# KiCad board final-memory.kicad_pcb (continued)
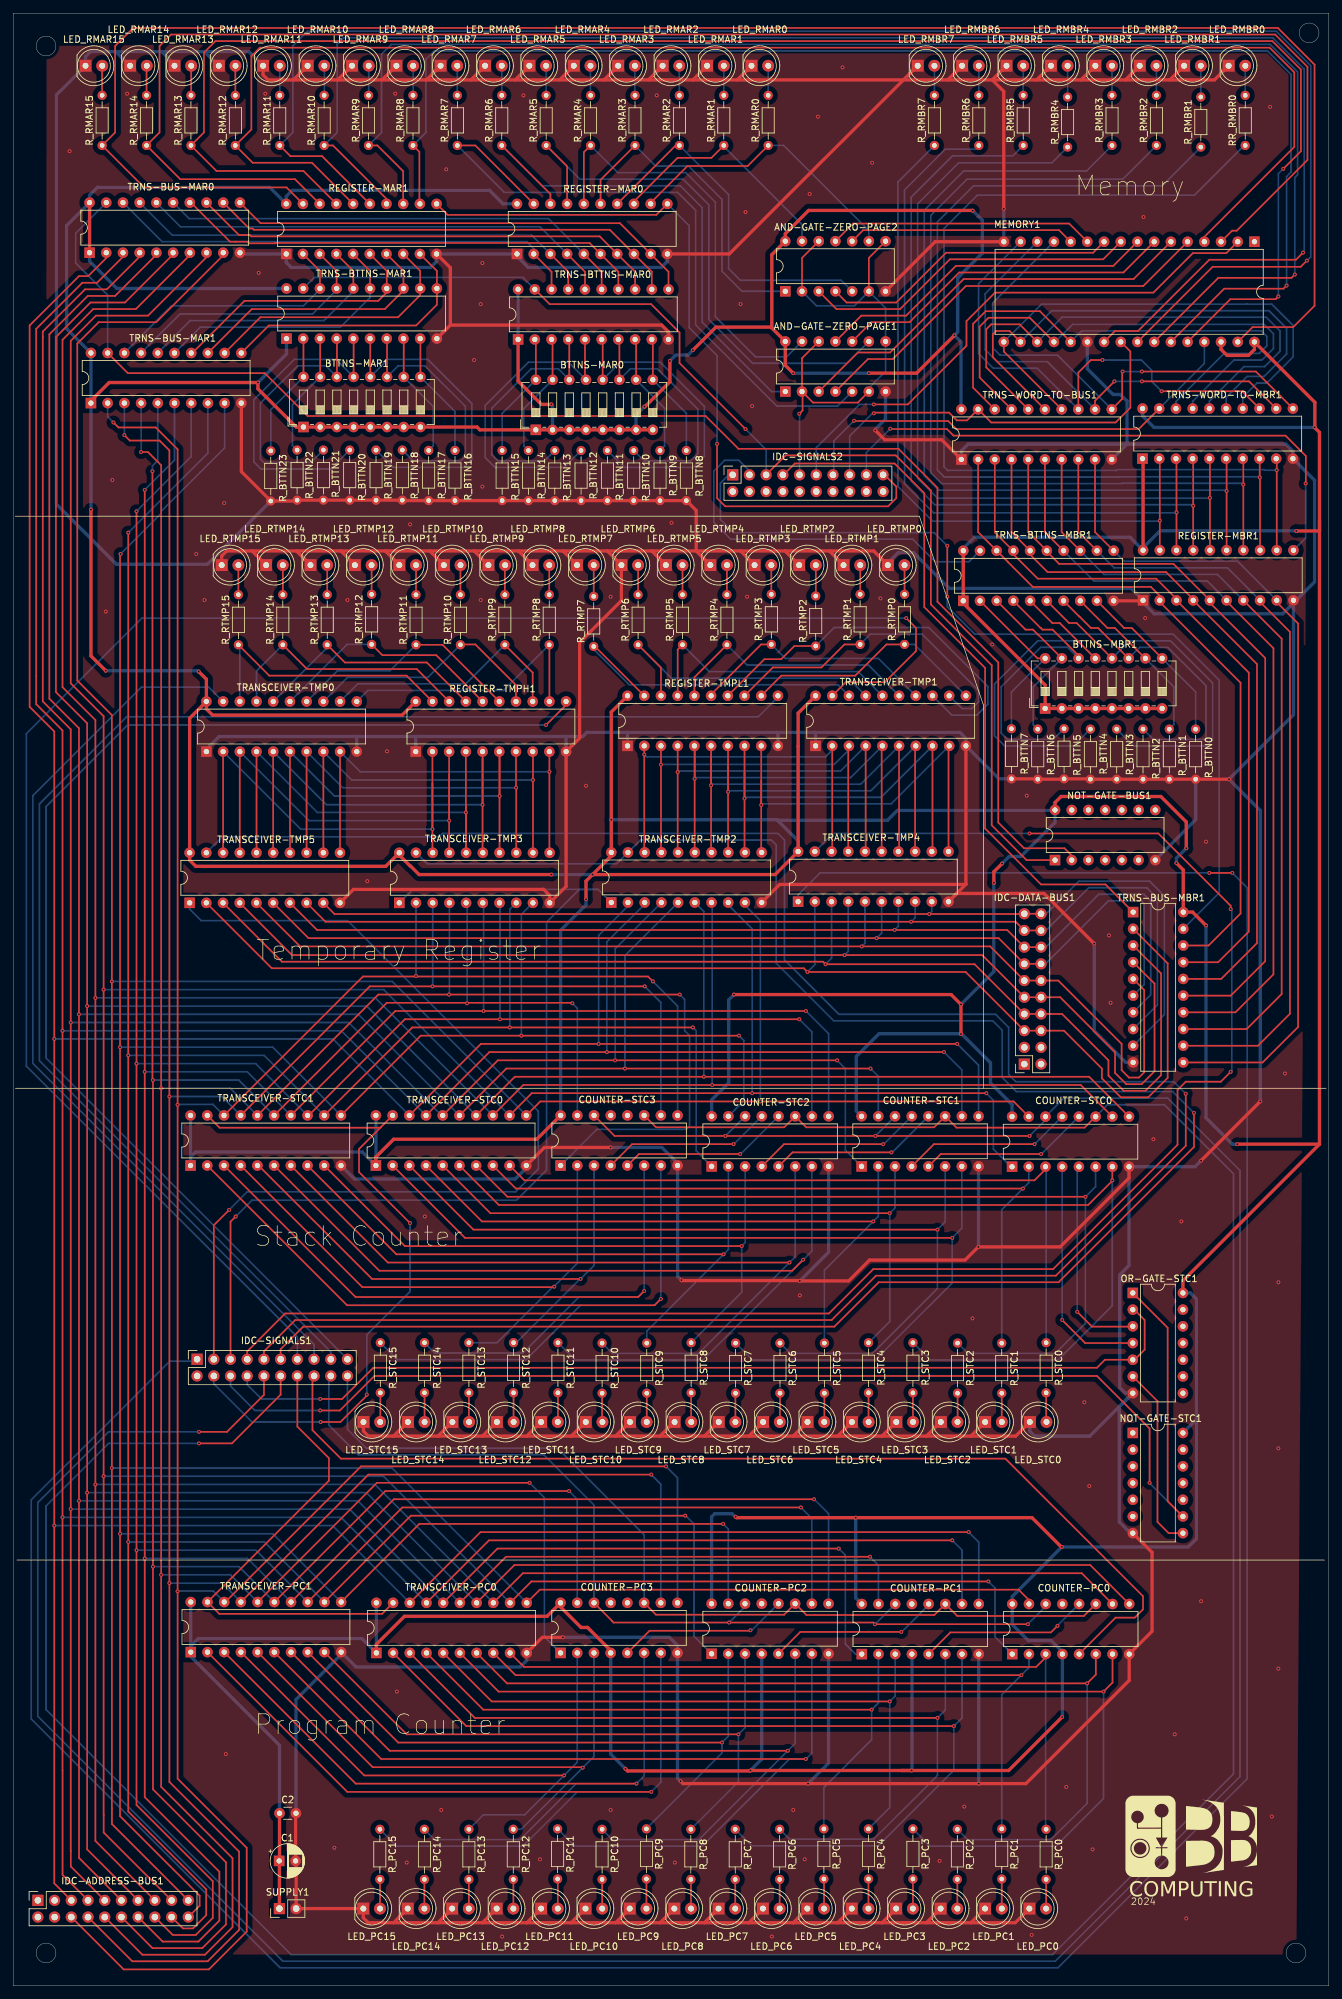
[diagram p0: board, top side]
## Nets
GND: AND-GATE-ZERO-PAGE1.7 AND-GATE-ZERO-PAGE2.7 C1.2 C2.2 COUNTER-PC0.8 COUNTER-PC1.8 COUNTER-PC2.8 COUNTER-PC3.8 COUNTER-STC0.8 COUNTER-STC1.8 COUNTER-STC2.8 COUNTER-STC3.8 LED_PC0.1 LED_PC1.1 LED_PC2.1 LED_PC3.1 LED_PC4.1 LED_PC5.1 LED_PC6.1 LED_PC7.1 LED_PC8.1 LED_PC9.1 LED_PC10.1 LED_PC11.1 LED_PC12.1 LED_PC13.1 LED_PC14.1 LED_PC15.1 LED_RMAR0.1 LED_RMAR1.1 LED_RMAR2.1 LED_RMAR3.1 LED_RMAR4.1 LED_RMAR5.1 LED_RMAR6.1 LED_RMAR7.1 LED_RMAR8.1 LED_RMAR9.1 LED_RMAR10.1 LED_RMAR11.1 LED_RMAR12.1 LED_RMAR13.1 LED_RMAR14.1 LED_RMAR15.1 LED_RMBR0.1 LED_RMBR1.1 LED_RMBR2.1 LED_RMBR3.1 LED_RMBR4.1 LED_RMBR5.1 LED_RMBR6.1 LED_RMBR7.1 LED_RTMP0.1 LED_RTMP1.1 LED_RTMP2.1 LED_RTMP3.1 LED_RTMP4.1 LED_RTMP5.1 LED_RTMP6.1 LED_RTMP7.1 LED_RTMP8.1 LED_RTMP9.1 LED_RTMP10.1 LED_RTMP11.1 LED_RTMP12.1 LED_RTMP13.1 LED_RTMP14.1 LED_RTMP15.1 LED_STC0.1 LED_STC1.1 LED_STC2.1 LED_STC3.1 LED_STC4.1 LED_STC5.1 LED_STC6.1 LED_STC7.1 LED_STC8.1 LED_STC9.1 LED_STC10.1 LED_STC11.1 LED_STC12.1 LED_STC13.1 LED_STC14.1 LED_STC15.1 MEMORY1.16 MEMORY1.22 NOT-GATE-BUS1.7 NOT-GATE-STC1.7 OR-GATE-STC1.7 R_BTTN0.1 R_BTTN1.1 R_BTTN2.1 R_BTTN3.1 R_BTTN4.1 R_BTTN5.1 R_BTTN6.1 R_BTTN7.1 R_BTTN8.1 R_BTTN9.1 R_BTTN10.1 R_BTTN11.1 R_BTTN12.1 R_BTTN13.1 R_BTTN14.1 R_BTTN15.1 R_BTTN16.1 R_BTTN17.1 R_BTTN18.1 R_BTTN19.1 R_BTTN20.1 R_BTTN21.1 R_BTTN22.1 R_BTTN23.1 REGISTER-MAR0.1 REGISTER-MAR0.10 REGISTER-MAR1.1 REGISTER-MAR1.10 REGISTER-MBR1.1 REGISTER-MBR1.10 REGISTER-TMPH1.1 REGISTER-TMPH1.10 REGISTER-TMPL1.1 REGISTER-TMPL1.10 SUPPLY1.2 TRANSCEIVER-PC0.10 TRANSCEIVER-PC1.10 TRANSCEIVER-STC0.10 TRANSCEIVER-STC1.10 TRANSCEIVER-TMP0.1 TRANSCEIVER-TMP0.10 TRANSCEIVER-TMP1.1 TRANSCEIVER-TMP1.10 TRANSCEIVER-TMP2.10 TRANSCEIVER-TMP3.10 TRANSCEIVER-TMP4.10 TRANSCEIVER-TMP5.10 TRNS-BTTNS-MAR0.10 TRNS-BTTNS-MAR1.10 TRNS-BTTNS-MBR1.10 TRNS-BUS-MAR0.10 TRNS-BUS-MAR1.10 TRNS-BUS-MBR1.10 TRNS-WORD-TO-BUS1.1 TRNS-WORD-TO-BUS1.10 TRNS-WORD-TO-MBR1.10
VCC: AND-GATE-ZERO-PAGE1.14 AND-GATE-ZERO-PAGE2.14 BTTNS-MAR0.1 BTTNS-MAR0.2 BTTNS-MAR0.3 BTTNS-MAR0.4 BTTNS-MAR0.5 BTTNS-MAR0.6 BTTNS-MAR0.7 BTTNS-MAR0.8 BTTNS-MAR1.1 BTTNS-MAR1.2 BTTNS-MAR1.3 BTTNS-MAR1.4 BTTNS-MAR1.5 BTTNS-MAR1.6 BTTNS-MAR1.7 BTTNS-MAR1.8 BTTNS-MBR1.1 BTTNS-MBR1.2 BTTNS-MBR1.3 BTTNS-MBR1.4 BTTNS-MBR1.5 BTTNS-MBR1.6 BTTNS-MBR1.7 BTTNS-MBR1.8 C1.1 C2.1 COUNTER-PC0.4 COUNTER-PC0.16 COUNTER-PC1.4 COUNTER-PC1.16 COUNTER-PC2.4 COUNTER-PC2.16 COUNTER-PC3.4 COUNTER-PC3.16 COUNTER-STC0.16 COUNTER-STC1.16 COUNTER-STC2.16 COUNTER-STC3.16 MEMORY1.30 MEMORY1.32 NOT-GATE-BUS1.14 NOT-GATE-STC1.14 OR-GATE-STC1.14 REGISTER-MAR0.20 REGISTER-MAR1.20 REGISTER-MBR1.20 REGISTER-TMPH1.20 REGISTER-TMPL1.20 SUPPLY1.1 TRANSCEIVER-PC0.1 TRANSCEIVER-PC0.20 TRANSCEIVER-PC1.1 TRANSCEIVER-PC1.20 TRANSCEIVER-STC0.1 TRANSCEIVER-STC0.20 TRANSCEIVER-STC1.1 TRANSCEIVER-STC1.20 TRANSCEIVER-TMP0.20 TRANSCEIVER-TMP1.20 TRANSCEIVER-TMP2.20 TRANSCEIVER-TMP3.20 TRANSCEIVER-TMP4.20 TRANSCEIVER-TMP5.20 TRNS-BTTNS-MAR0.1 TRNS-BTTNS-MAR0.20 TRNS-BTTNS-MAR1.1 TRNS-BTTNS-MAR1.20 TRNS-BTTNS-MBR1.1 TRNS-BTTNS-MBR1.20 TRNS-BUS-MAR0.1 TRNS-BUS-MAR0.20 TRNS-BUS-MAR1.1 TRNS-BUS-MAR1.20 TRNS-BUS-MBR1.20 TRNS-WORD-TO-BUS1.20 TRNS-WORD-TO-MBR1.1 TRNS-WORD-TO-MBR1.20
ADDRESS0: COUNTER-PC0.15 COUNTER-STC0.15 IDC-ADDRESS-BUS1.19 TRANSCEIVER-PC0.11 TRANSCEIVER-STC0.11 TRANSCEIVER-TMP2.9 TRNS-BUS-MAR0.9
ADDRESS1: COUNTER-PC0.1 COUNTER-STC0.1 IDC-ADDRESS-BUS1.17 TRANSCEIVER-PC0.12 TRANSCEIVER-STC0.12 TRANSCEIVER-TMP2.8 TRNS-BUS-MAR0.8
ADDRESS2: COUNTER-PC0.10 COUNTER-STC0.10 IDC-ADDRESS-BUS1.15 TRANSCEIVER-PC0.13 TRANSCEIVER-STC0.13 TRANSCEIVER-TMP2.7 TRNS-BUS-MAR0.7
ADDRESS3: COUNTER-PC0.9 COUNTER-STC0.9 IDC-ADDRESS-BUS1.13 TRANSCEIVER-PC0.14 TRANSCEIVER-STC0.14 TRANSCEIVER-TMP2.6 TRNS-BUS-MAR0.6
ADDRESS4: COUNTER-PC1.15 COUNTER-STC1.15 IDC-ADDRESS-BUS1.11 TRANSCEIVER-PC0.15 TRANSCEIVER-STC0.15 TRANSCEIVER-TMP2.5 TRNS-BUS-MAR0.5
ADDRESS5: COUNTER-PC1.1 COUNTER-STC1.1 IDC-ADDRESS-BUS1.9 TRANSCEIVER-PC0.16 TRANSCEIVER-STC0.16 TRANSCEIVER-TMP2.4 TRNS-BUS-MAR0.4
ADDRESS6: COUNTER-PC1.10 COUNTER-STC1.10 IDC-ADDRESS-BUS1.7 TRANSCEIVER-PC0.17 TRANSCEIVER-STC0.17 TRANSCEIVER-TMP2.3 TRNS-BUS-MAR0.3
ADDRESS7: COUNTER-PC1.9 COUNTER-STC1.9 IDC-ADDRESS-BUS1.5 TRANSCEIVER-PC0.18 TRANSCEIVER-STC0.18 TRANSCEIVER-TMP2.2 TRNS-BUS-MAR0.2
ADDRESS8: COUNTER-PC2.15 COUNTER-STC2.15 IDC-ADDRESS-BUS1.20 TRANSCEIVER-PC1.11 TRANSCEIVER-STC1.11 TRANSCEIVER-TMP3.9 TRNS-BUS-MAR1.9
ADDRESS9: COUNTER-PC2.1 COUNTER-STC2.1 IDC-ADDRESS-BUS1.18 TRANSCEIVER-PC1.12 TRANSCEIVER-STC1.12 TRANSCEIVER-TMP3.8 TRNS-BUS-MAR1.8
ADDRESS10: COUNTER-PC2.10 COUNTER-STC2.10 IDC-ADDRESS-BUS1.16 TRANSCEIVER-PC1.13 TRANSCEIVER-STC1.13 TRANSCEIVER-TMP3.7 TRNS-BUS-MAR1.7
ADDRESS11: COUNTER-PC2.9 COUNTER-STC2.9 IDC-ADDRESS-BUS1.14 TRANSCEIVER-PC1.14 TRANSCEIVER-STC1.14 TRANSCEIVER-TMP3.6 TRNS-BUS-MAR1.6
ADDRESS12: COUNTER-PC3.15 COUNTER-STC3.15 IDC-ADDRESS-BUS1.12 TRANSCEIVER-PC1.15 TRANSCEIVER-STC1.15 TRANSCEIVER-TMP3.5 TRNS-BUS-MAR1.5
ADDRESS13: COUNTER-PC3.1 COUNTER-STC3.1 IDC-ADDRESS-BUS1.10 TRANSCEIVER-PC1.16 TRANSCEIVER-STC1.16 TRANSCEIVER-TMP3.4 TRNS-BUS-MAR1.4
ADDRESS14: COUNTER-PC3.10 COUNTER-STC3.10 IDC-ADDRESS-BUS1.8 TRANSCEIVER-PC1.17 TRANSCEIVER-STC1.17 TRANSCEIVER-TMP3.3 TRNS-BUS-MAR1.3
ADDRESS15: COUNTER-PC3.9 COUNTER-STC3.9 IDC-ADDRESS-BUS1.6 TRANSCEIVER-PC1.18 TRANSCEIVER-STC1.18 TRANSCEIVER-TMP3.2 TRNS-BUS-MAR1.2
DATA0: IDC-DATA-BUS1.19 IDC-DATA-BUS1.20 TRANSCEIVER-TMP4.9 TRANSCEIVER-TMP5.9 TRNS-BUS-MBR1.9
DATA1: IDC-DATA-BUS1.17 IDC-DATA-BUS1.18 TRANSCEIVER-TMP4.8 TRANSCEIVER-TMP5.8 TRNS-BUS-MBR1.8
DATA2: IDC-DATA-BUS1.15 IDC-DATA-BUS1.16 TRANSCEIVER-TMP4.7 TRANSCEIVER-TMP5.7 TRNS-BUS-MBR1.7
DATA3: IDC-DATA-BUS1.13 IDC-DATA-BUS1.14 TRANSCEIVER-TMP4.6 TRANSCEIVER-TMP5.6 TRNS-BUS-MBR1.6
DATA4: IDC-DATA-BUS1.11 IDC-DATA-BUS1.12 TRANSCEIVER-TMP4.5 TRANSCEIVER-TMP5.5 TRNS-BUS-MBR1.5
DATA5: IDC-DATA-BUS1.9 IDC-DATA-BUS1.10 TRANSCEIVER-TMP4.4 TRANSCEIVER-TMP5.4 TRNS-BUS-MBR1.4
DATA6: IDC-DATA-BUS1.7 IDC-DATA-BUS1.8 TRANSCEIVER-TMP4.3 TRANSCEIVER-TMP5.3 TRNS-BUS-MBR1.3
DATA7: IDC-DATA-BUS1.5 IDC-DATA-BUS1.6 TRANSCEIVER-TMP4.2 TRANSCEIVER-TMP5.2 TRNS-BUS-MBR1.2
MEM_PART: IDC-SIGNALS2.11 MEMORY1.2
PC0: COUNTER-PC0.3 R_PC0.1 TRANSCEIVER-PC0.9
PC1: COUNTER-PC0.2 R_PC1.1 TRANSCEIVER-PC0.8
PC2: COUNTER-PC0.6 R_PC2.1 TRANSCEIVER-PC0.7
PC3: COUNTER-PC0.7 R_PC3.1 TRANSCEIVER-PC0.6
PC4: COUNTER-PC1.3 R_PC4.1 TRANSCEIVER-PC0.5
PC5: COUNTER-PC1.2 R_PC5.1 TRANSCEIVER-PC0.4
PC6: COUNTER-PC1.6 R_PC6.1 TRANSCEIVER-PC0.3
PC7: COUNTER-PC1.7 R_PC7.1 TRANSCEIVER-PC0.2
PC8: COUNTER-PC2.3 R_PC8.1 TRANSCEIVER-PC1.9
PC9: COUNTER-PC2.2 R_PC9.1 TRANSCEIVER-PC1.8
PC10: COUNTER-PC2.6 R_PC10.1 TRANSCEIVER-PC1.7
PC11: COUNTER-PC2.7 R_PC11.1 TRANSCEIVER-PC1.6
PC12: COUNTER-PC3.3 R_PC12.1 TRANSCEIVER-PC1.5
PC13: COUNTER-PC3.2 R_PC13.1 TRANSCEIVER-PC1.4
PC14: COUNTER-PC3.6 R_PC14.1 TRANSCEIVER-PC1.3
PC15: COUNTER-PC3.7 R_PC15.1 TRANSCEIVER-PC1.2
PC_RST: COUNTER-PC0.14 COUNTER-PC1.14 COUNTER-PC2.14 COUNTER-PC3.14 IDC-SIGNALS1.18
PC_TICK: COUNTER-PC0.5 IDC-SIGNALS1.16
REG_MAR_LOAD: IDC-SIGNALS2.19 REGISTER-MAR0.11 REGISTER-MAR1.11
REG_MBR_LOAD: IDC-SIGNALS2.17 REGISTER-MBR1.11
REG_MBR_WORD_DIR: IDC-SIGNALS2.7 TRNS-BUS-MBR1.1
REG_TMP_ADDRESS_DIR: IDC-SIGNALS1.5 TRANSCEIVER-TMP2.1 TRANSCEIVER-TMP3.1
REG_TMPH_DATA_DIR: IDC-SIGNALS1.3 TRANSCEIVER-TMP5.1
REG_TMPH_LOAD: IDC-SIGNALS1.19 REGISTER-TMPH1.11
REG_TMPL_DATA_DIR: IDC-SIGNALS1.1 TRANSCEIVER-TMP4.1
REG_TMPL_LOAD: IDC-SIGNALS1.17 REGISTER-TMPL1.11
RMAR0: AND-GATE-ZERO-PAGE2.9 R_RMAR0.1 REGISTER-MAR0.12
RMAR1: AND-GATE-ZERO-PAGE2.13 R_RMAR1.1 REGISTER-MAR0.13
RMAR2: AND-GATE-ZERO-PAGE2.5 R_RMAR2.1 REGISTER-MAR0.14
RMAR3: AND-GATE-ZERO-PAGE2.1 R_RMAR3.1 REGISTER-MAR0.15
RMAR4: AND-GATE-ZERO-PAGE1.13 R_RMAR4.1 REGISTER-MAR0.16
RMAR5: AND-GATE-ZERO-PAGE1.9 R_RMAR5.1 REGISTER-MAR0.17
RMAR6: AND-GATE-ZERO-PAGE1.1 R_RMAR6.1 REGISTER-MAR0.18
RMAR7: AND-GATE-ZERO-PAGE1.5 R_RMAR7.1 REGISTER-MAR0.19
RMAR8: MEMORY1.27 R_RMAR8.1 REGISTER-MAR1.12
RMAR9: MEMORY1.26 R_RMAR9.1 REGISTER-MAR1.13
RMAR10: MEMORY1.23 R_RMAR10.1 REGISTER-MAR1.14
RMAR11: MEMORY1.25 R_RMAR11.1 REGISTER-MAR1.15
RMAR12: MEMORY1.4 R_RMAR12.1 REGISTER-MAR1.16
RMAR13: MEMORY1.28 R_RMAR13.1 REGISTER-MAR1.17
RMAR14: MEMORY1.3 R_RMAR14.1 REGISTER-MAR1.18
RMAR15: MEMORY1.31 R_RMAR15.1 REGISTER-MAR1.19
RMBR0: REGISTER-MBR1.12 RR_RMBR0.1 TRNS-WORD-TO-MBR1.9
RMBR1: R_RMBR1.1 REGISTER-MBR1.13 TRNS-WORD-TO-MBR1.8
RMBR2: R_RMBR2.1 REGISTER-MBR1.14 TRNS-WORD-TO-MBR1.7
RMBR3: R_RMBR3.1 REGISTER-MBR1.15 TRNS-WORD-TO-MBR1.6
RMBR4: R_RMBR4.1 REGISTER-MBR1.16 TRNS-WORD-TO-MBR1.5
RMBR5: R_RMBR5.1 REGISTER-MBR1.17 TRNS-WORD-TO-MBR1.4
RMBR6: R_RMBR6.1 REGISTER-MBR1.18 TRNS-WORD-TO-MBR1.3
RMBR7: R_RMBR7.1 REGISTER-MBR1.19 TRNS-WORD-TO-MBR1.2
RTMP0: R_RTMP0.1 REGISTER-TMPL1.12 TRANSCEIVER-TMP1.11
RTMP1: R_RTMP1.1 REGISTER-TMPL1.13 TRANSCEIVER-TMP1.12
RTMP2: R_RTMP2.1 REGISTER-TMPL1.14 TRANSCEIVER-TMP1.13
RTMP3: R_RTMP3.1 REGISTER-TMPL1.15 TRANSCEIVER-TMP1.14
RTMP4: R_RTMP4.1 REGISTER-TMPL1.16 TRANSCEIVER-TMP1.15
RTMP5: R_RTMP5.1 REGISTER-TMPL1.17 TRANSCEIVER-TMP1.16
RTMP6: R_RTMP6.1 REGISTER-TMPL1.18 TRANSCEIVER-TMP1.17
RTMP7: R_RTMP7.1 REGISTER-TMPL1.19 TRANSCEIVER-TMP1.18
RTMP8: R_RTMP8.1 REGISTER-TMPH1.12 TRANSCEIVER-TMP0.11
RTMP9: R_RTMP9.1 REGISTER-TMPH1.13 TRANSCEIVER-TMP0.12
RTMP10: R_RTMP10.1 REGISTER-TMPH1.14 TRANSCEIVER-TMP0.13
RTMP11: R_RTMP11.1 REGISTER-TMPH1.15 TRANSCEIVER-TMP0.14
RTMP12: R_RTMP12.1 REGISTER-TMPH1.16 TRANSCEIVER-TMP0.15
RTMP13: R_RTMP13.1 REGISTER-TMPH1.17 TRANSCEIVER-TMP0.16
RTMP14: R_RTMP14.1 REGISTER-TMPH1.18 TRANSCEIVER-TMP0.17
RTMP15: R_RTMP15.1 REGISTER-TMPH1.19 TRANSCEIVER-TMP0.18
STC0: COUNTER-STC0.3 R_STC0.1 TRANSCEIVER-STC0.9
STC1: COUNTER-STC0.2 R_STC1.1 TRANSCEIVER-STC0.8
STC2: COUNTER-STC0.6 R_STC2.1 TRANSCEIVER-STC0.7
STC3: COUNTER-STC0.7 R_STC3.1 TRANSCEIVER-STC0.6
STC4: COUNTER-STC1.3 R_STC4.1 TRANSCEIVER-STC0.5
STC5: COUNTER-STC1.2 R_STC5.1 TRANSCEIVER-STC0.4
STC6: COUNTER-STC1.6 R_STC6.1 TRANSCEIVER-STC0.3
STC7: COUNTER-STC1.7 R_STC7.1 TRANSCEIVER-STC0.2
STC8: COUNTER-STC2.3 R_STC8.1 TRANSCEIVER-STC1.9
STC9: COUNTER-STC2.2 R_STC9.1 TRANSCEIVER-STC1.8
STC10: COUNTER-STC2.6 R_STC10.1 TRANSCEIVER-STC1.7
STC11: COUNTER-STC2.7 R_STC11.1 TRANSCEIVER-STC1.6
STC12: COUNTER-STC3.3 R_STC12.1 TRANSCEIVER-STC1.5
STC13: COUNTER-STC3.2 R_STC13.1 TRANSCEIVER-STC1.4
STC14: COUNTER-STC3.6 R_STC14.1 TRANSCEIVER-STC1.3
STC15: COUNTER-STC3.7 R_STC15.1 TRANSCEIVER-STC1.2
STC_MODE: IDC-SIGNALS1.6 NOT-GATE-STC1.9 OR-GATE-STC1.1
STC_RST: COUNTER-STC0.14 COUNTER-STC1.14 COUNTER-STC2.14 COUNTER-STC3.14 IDC-SIGNALS1.10
STC_TICK: IDC-SIGNALS1.8 OR-GATE-STC1.2 OR-GATE-STC1.5
WORD0: MEMORY1.13 TRNS-WORD-TO-BUS1.11 TRNS-WORD-TO-MBR1.11
WORD1: MEMORY1.14 TRNS-WORD-TO-BUS1.12 TRNS-WORD-TO-MBR1.12
WORD2: MEMORY1.15 TRNS-WORD-TO-BUS1.13 TRNS-WORD-TO-MBR1.13
WORD3: MEMORY1.17 TRNS-WORD-TO-BUS1.14 TRNS-WORD-TO-MBR1.14
WORD4: MEMORY1.18 TRNS-WORD-TO-BUS1.15 TRNS-WORD-TO-MBR1.15
WORD5: MEMORY1.19 TRNS-WORD-TO-BUS1.16 TRNS-WORD-TO-MBR1.16
WORD6: MEMORY1.20 TRNS-WORD-TO-BUS1.17 TRNS-WORD-TO-MBR1.17
WORD7: MEMORY1.21 TRNS-WORD-TO-BUS1.18 TRNS-WORD-TO-MBR1.18
~{MEM_IN}: IDC-SIGNALS2.13 MEMORY1.29 TRNS-WORD-TO-MBR1.19
~{MEM_OUT}: IDC-SIGNALS2.15 MEMORY1.24 TRNS-WORD-TO-BUS1.19
~{PC_LOAD}: COUNTER-PC0.11 COUNTER-PC1.11 COUNTER-PC2.11 COUNTER-PC3.11 IDC-SIGNALS1.20
~{PC_OUT}: IDC-SIGNALS1.14 TRANSCEIVER-PC0.19 TRANSCEIVER-PC1.19
~{REG_MAR_USE_BTTNS}: IDC-SIGNALS2.5 NOT-GATE-BUS1.1 TRNS-BTTNS-MAR0.19 TRNS-BTTNS-MAR1.19
~{REG_MBR_USE_BTTNS}: IDC-SIGNALS2.3 TRNS-BTTNS-MBR1.19
~{REG_MBR_USE_BUS}: IDC-SIGNALS2.1 TRNS-BUS-MBR1.19
~{REG_TMP_PASS_ADDRESS}: IDC-SIGNALS1.11 TRANSCEIVER-TMP2.19 TRANSCEIVER-TMP3.19
~{REG_TMPH_OUT}: IDC-SIGNALS1.15 TRANSCEIVER-TMP0.19
~{REG_TMPH_PASS_DATA}: IDC-SIGNALS1.9 TRANSCEIVER-TMP5.19
~{REG_TMPL_OUT}: IDC-SIGNALS1.13 TRANSCEIVER-TMP1.19
~{REG_TMPL_PASS_DATA}: IDC-SIGNALS1.7 TRANSCEIVER-TMP4.19
~{STC_LOAD}: COUNTER-STC0.11 COUNTER-STC1.11 COUNTER-STC2.11 COUNTER-STC3.11 IDC-SIGNALS1.12
~{STC_OUT}: IDC-SIGNALS1.4 TRANSCEIVER-STC0.19 TRANSCEIVER-STC1.19
~{ZERO_PAGE}: AND-GATE-ZERO-PAGE1.2 AND-GATE-ZERO-PAGE1.6 AND-GATE-ZERO-PAGE1.8 AND-GATE-ZERO-PAGE1.12 AND-GATE-ZERO-PAGE2.2 AND-GATE-ZERO-PAGE2.6 AND-GATE-ZERO-PAGE2.8 AND-GATE-ZERO-PAGE2.12 IDC-SIGNALS2.9
Net-(AND-GATE-ZERO-PAGE1-J=A.B): AND-GATE-ZERO-PAGE1.3 MEMORY1.6
Net-(AND-GATE-ZERO-PAGE1-K=C.D): AND-GATE-ZERO-PAGE1.4 MEMORY1.5
Net-(AND-GATE-ZERO-PAGE1-L=E.F): AND-GATE-ZERO-PAGE1.10 MEMORY1.7
Net-(AND-GATE-ZERO-PAGE1-M=G.H): AND-GATE-ZERO-PAGE1.11 MEMORY1.8
Net-(AND-GATE-ZERO-PAGE2-J=A.B): AND-GATE-ZERO-PAGE2.3 MEMORY1.9
Net-(AND-GATE-ZERO-PAGE2-K=C.D): AND-GATE-ZERO-PAGE2.4 MEMORY1.10
Net-(AND-GATE-ZERO-PAGE2-L=E.F): AND-GATE-ZERO-PAGE2.10 MEMORY1.12
Net-(AND-GATE-ZERO-PAGE2-M=G.H): AND-GATE-ZERO-PAGE2.11 MEMORY1.11
Net-(COUNTER-PC0-TCU): COUNTER-PC0.12 COUNTER-PC1.5
Net-(COUNTER-PC1-TCU): COUNTER-PC1.12 COUNTER-PC2.5
Net-(COUNTER-PC2-TCU): COUNTER-PC2.12 COUNTER-PC3.5
Net-(COUNTER-STC0-CPD): COUNTER-STC0.4 OR-GATE-STC1.4
Net-(COUNTER-STC0-CPU): COUNTER-STC0.5 OR-GATE-STC1.3
Net-(COUNTER-STC0-TCD): COUNTER-STC0.13 COUNTER-STC1.4
Net-(COUNTER-STC0-TCU): COUNTER-STC0.12 COUNTER-STC1.5
Net-(COUNTER-STC1-TCD): COUNTER-STC1.13 COUNTER-STC2.4
Net-(COUNTER-STC1-TCU): COUNTER-STC1.12 COUNTER-STC2.5
Net-(COUNTER-STC2-TCD): COUNTER-STC2.13 COUNTER-STC3.4
Net-(COUNTER-STC2-TCU): COUNTER-STC2.12 COUNTER-STC3.5
Net-(LED_PC0-A): LED_PC0.2 R_PC0.2
Net-(LED_PC1-A): LED_PC1.2 R_PC1.2
Net-(LED_PC2-A): LED_PC2.2 R_PC2.2
Net-(LED_PC3-A): LED_PC3.2 R_PC3.2
Net-(LED_PC4-A): LED_PC4.2 R_PC4.2
Net-(LED_PC5-A): LED_PC5.2 R_PC5.2
Net-(LED_PC6-A): LED_PC6.2 R_PC6.2
Net-(LED_PC7-A): LED_PC7.2 R_PC7.2
Net-(LED_PC8-A): LED_PC8.2 R_PC8.2
Net-(LED_PC9-A): LED_PC9.2 R_PC9.2
Net-(LED_PC10-A): LED_PC10.2 R_PC10.2
Net-(LED_PC11-A): LED_PC11.2 R_PC11.2
Net-(LED_PC12-A): LED_PC12.2 R_PC12.2
Net-(LED_PC13-A): LED_PC13.2 R_PC13.2
Net-(LED_PC14-A): LED_PC14.2 R_PC14.2
Net-(LED_PC15-A): LED_PC15.2 R_PC15.2
Net-(LED_RMAR0-A): LED_RMAR0.2 R_RMAR0.2
Net-(LED_RMAR1-A): LED_RMAR1.2 R_RMAR1.2
Net-(LED_RMAR2-A): LED_RMAR2.2 R_RMAR2.2
Net-(LED_RMAR3-A): LED_RMAR3.2 R_RMAR3.2
Net-(LED_RMAR4-A): LED_RMAR4.2 R_RMAR4.2
Net-(LED_RMAR5-A): LED_RMAR5.2 R_RMAR5.2
Net-(LED_RMAR6-A): LED_RMAR6.2 R_RMAR6.2
Net-(LED_RMAR7-A): LED_RMAR7.2 R_RMAR7.2
Net-(LED_RMAR8-A): LED_RMAR8.2 R_RMAR8.2
Net-(LED_RMAR9-A): LED_RMAR9.2 R_RMAR9.2
Net-(LED_RMAR10-A): LED_RMAR10.2 R_RMAR10.2
Net-(LED_RMAR11-A): LED_RMAR11.2 R_RMAR11.2
Net-(LED_RMAR12-A): LED_RMAR12.2 R_RMAR12.2
Net-(LED_RMAR13-A): LED_RMAR13.2 R_RMAR13.2
Net-(LED_RMAR14-A): LED_RMAR14.2 R_RMAR14.2
Net-(LED_RMAR15-A): LED_RMAR15.2 R_RMAR15.2
Net-(LED_RMBR0-A): LED_RMBR0.2 RR_RMBR0.2
Net-(LED_RMBR1-A): LED_RMBR1.2 R_RMBR1.2
Net-(LED_RMBR2-A): LED_RMBR2.2 R_RMBR2.2
Net-(LED_RMBR3-A): LED_RMBR3.2 R_RMBR3.2
Net-(LED_RMBR4-A): LED_RMBR4.2 R_RMBR4.2
Net-(LED_RMBR5-A): LED_RMBR5.2 R_RMBR5.2
Net-(LED_RMBR6-A): LED_RMBR6.2 R_RMBR6.2
Net-(LED_RMBR7-A): LED_RMBR7.2 R_RMBR7.2
Net-(LED_RTMP0-A): LED_RTMP0.2 R_RTMP0.2
Net-(LED_RTMP1-A): LED_RTMP1.2 R_RTMP1.2
Net-(LED_RTMP2-A): LED_RTMP2.2 R_RTMP2.2
Net-(LED_RTMP3-A): LED_RTMP3.2 R_RTMP3.2
Net-(LED_RTMP4-A): LED_RTMP4.2 R_RTMP4.2
Net-(LED_RTMP5-A): LED_RTMP5.2 R_RTMP5.2
Net-(LED_RTMP6-A): LED_RTMP6.2 R_RTMP6.2
Net-(LED_RTMP7-A): LED_RTMP7.2 R_RTMP7.2
Net-(LED_RTMP8-A): LED_RTMP8.2 R_RTMP8.2
Net-(LED_RTMP9-A): LED_RTMP9.2 R_RTMP9.2
Net-(LED_RTMP10-A): LED_RTMP10.2 R_RTMP10.2
Net-(LED_RTMP11-A): LED_RTMP11.2 R_RTMP11.2
Net-(LED_RTMP12-A): LED_RTMP12.2 R_RTMP12.2
Net-(LED_RTMP13-A): LED_RTMP13.2 R_RTMP13.2
Net-(LED_RTMP14-A): LED_RTMP14.2 R_RTMP14.2
Net-(LED_RTMP15-A): LED_RTMP15.2 R_RTMP15.2
Net-(LED_STC0-A): LED_STC0.2 R_STC0.2
Net-(LED_STC1-A): LED_STC1.2 R_STC1.2
Net-(LED_STC2-A): LED_STC2.2 R_STC2.2
Net-(LED_STC3-A): LED_STC3.2 R_STC3.2
Net-(LED_STC4-A): LED_STC4.2 R_STC4.2
Net-(LED_STC5-A): LED_STC5.2 R_STC5.2
Net-(LED_STC6-A): LED_STC6.2 R_STC6.2
Net-(LED_STC7-A): LED_STC7.2 R_STC7.2
Net-(LED_STC8-A): LED_STC8.2 R_STC8.2
Net-(LED_STC9-A): LED_STC9.2 R_STC9.2
Net-(LED_STC10-A): LED_STC10.2 R_STC10.2
Net-(LED_STC11-A): LED_STC11.2 R_STC11.2
Net-(LED_STC12-A): LED_STC12.2 R_STC12.2
Net-(LED_STC13-A): LED_STC13.2 R_STC13.2
Net-(LED_STC14-A): LED_STC14.2 R_STC14.2
Net-(LED_STC15-A): LED_STC15.2 R_STC15.2
Net-(NOT-GATE-BUS1-~{1Y}): NOT-GATE-BUS1.2 TRNS-BUS-MAR0.19 TRNS-BUS-MAR1.19
Net-(NOT-GATE-STC1-~{4Y}): NOT-GATE-STC1.8 OR-GATE-STC1.6
Net-(REGISTER-MAR0-1D): REGISTER-MAR0.2 TRNS-BTTNS-MAR0.18 TRNS-BUS-MAR0.18
Net-(REGISTER-MAR0-2D): REGISTER-MAR0.3 TRNS-BTTNS-MAR0.17 TRNS-BUS-MAR0.17
Net-(REGISTER-MAR0-3D): REGISTER-MAR0.4 TRNS-BTTNS-MAR0.16 TRNS-BUS-MAR0.16
Net-(REGISTER-MAR0-4D): REGISTER-MAR0.5 TRNS-BTTNS-MAR0.15 TRNS-BUS-MAR0.15
Net-(REGISTER-MAR0-5D): REGISTER-MAR0.6 TRNS-BTTNS-MAR0.14 TRNS-BUS-MAR0.14
Net-(REGISTER-MAR0-6D): REGISTER-MAR0.7 TRNS-BTTNS-MAR0.13 TRNS-BUS-MAR0.13
Net-(REGISTER-MAR0-7D): REGISTER-MAR0.8 TRNS-BTTNS-MAR0.12 TRNS-BUS-MAR0.12
Net-(REGISTER-MAR0-8D): REGISTER-MAR0.9 TRNS-BTTNS-MAR0.11 TRNS-BUS-MAR0.11
Net-(REGISTER-MAR1-1D): REGISTER-MAR1.2 TRNS-BTTNS-MAR1.18 TRNS-BUS-MAR1.18
Net-(REGISTER-MAR1-2D): REGISTER-MAR1.3 TRNS-BTTNS-MAR1.17 TRNS-BUS-MAR1.17
Net-(REGISTER-MAR1-3D): REGISTER-MAR1.4 TRNS-BTTNS-MAR1.16 TRNS-BUS-MAR1.16
Net-(REGISTER-MAR1-4D): REGISTER-MAR1.5 TRNS-BTTNS-MAR1.15 TRNS-BUS-MAR1.15
Net-(REGISTER-MAR1-5D): REGISTER-MAR1.6 TRNS-BTTNS-MAR1.14 TRNS-BUS-MAR1.14
Net-(REGISTER-MAR1-6D): REGISTER-MAR1.7 TRNS-BTTNS-MAR1.13 TRNS-BUS-MAR1.13
Net-(REGISTER-MAR1-7D): REGISTER-MAR1.8 TRNS-BTTNS-MAR1.12 TRNS-BUS-MAR1.12
Net-(REGISTER-MAR1-8D): REGISTER-MAR1.9 TRNS-BTTNS-MAR1.11 TRNS-BUS-MAR1.11
Net-(REGISTER-MBR1-1D): REGISTER-MBR1.2 TRNS-BTTNS-MBR1.18 TRNS-BUS-MBR1.18 TRNS-WORD-TO-BUS1.2
Net-(REGISTER-MBR1-2D): REGISTER-MBR1.3 TRNS-BTTNS-MBR1.17 TRNS-BUS-MBR1.17 TRNS-WORD-TO-BUS1.3
Net-(REGISTER-MBR1-3D): REGISTER-MBR1.4 TRNS-BTTNS-MBR1.16 TRNS-BUS-MBR1.16 TRNS-WORD-TO-BUS1.4
Net-(REGISTER-MBR1-4D): REGISTER-MBR1.5 TRNS-BTTNS-MBR1.15 TRNS-BUS-MBR1.15 TRNS-WORD-TO-BUS1.5
Net-(REGISTER-MBR1-5D): REGISTER-MBR1.6 TRNS-BTTNS-MBR1.14 TRNS-BUS-MBR1.14 TRNS-WORD-TO-BUS1.6
Net-(REGISTER-MBR1-6D): REGISTER-MBR1.7 TRNS-BTTNS-MBR1.13 TRNS-BUS-MBR1.13 TRNS-WORD-TO-BUS1.7
Net-(REGISTER-MBR1-7D): REGISTER-MBR1.8 TRNS-BTTNS-MBR1.12 TRNS-BUS-MBR1.12 TRNS-WORD-TO-BUS1.8
Net-(REGISTER-MBR1-8D): REGISTER-MBR1.9 TRNS-BTTNS-MBR1.11 TRNS-BUS-MBR1.11 TRNS-WORD-TO-BUS1.9
Net-(REGISTER-TMPH1-1D): REGISTER-TMPH1.2 TRANSCEIVER-TMP0.2 TRANSCEIVER-TMP3.18 TRANSCEIVER-TMP5.18
Net-(REGISTER-TMPH1-2D): REGISTER-TMPH1.3 TRANSCEIVER-TMP0.3 TRANSCEIVER-TMP3.17 TRANSCEIVER-TMP5.17
Net-(REGISTER-TMPH1-3D): REGISTER-TMPH1.4 TRANSCEIVER-TMP0.4 TRANSCEIVER-TMP3.16 TRANSCEIVER-TMP5.16
Net-(REGISTER-TMPH1-4D): REGISTER-TMPH1.5 TRANSCEIVER-TMP0.5 TRANSCEIVER-TMP3.15 TRANSCEIVER-TMP5.15
Net-(REGISTER-TMPH1-5D): REGISTER-TMPH1.6 TRANSCEIVER-TMP0.6 TRANSCEIVER-TMP3.14 TRANSCEIVER-TMP5.14
Net-(REGISTER-TMPH1-6D): REGISTER-TMPH1.7 TRANSCEIVER-TMP0.7 TRANSCEIVER-TMP3.13 TRANSCEIVER-TMP5.13
Net-(REGISTER-TMPH1-7D): REGISTER-TMPH1.8 TRANSCEIVER-TMP0.8 TRANSCEIVER-TMP3.12 TRANSCEIVER-TMP5.12
Net-(REGISTER-TMPH1-8D): REGISTER-TMPH1.9 TRANSCEIVER-TMP0.9 TRANSCEIVER-TMP3.11 TRANSCEIVER-TMP5.11
Net-(REGISTER-TMPL1-1D): REGISTER-TMPL1.2 TRANSCEIVER-TMP1.2 TRANSCEIVER-TMP2.18 TRANSCEIVER-TMP4.18
Net-(REGISTER-TMPL1-2D): REGISTER-TMPL1.3 TRANSCEIVER-TMP1.3 TRANSCEIVER-TMP2.17 TRANSCEIVER-TMP4.17
Net-(REGISTER-TMPL1-3D): REGISTER-TMPL1.4 TRANSCEIVER-TMP1.4 TRANSCEIVER-TMP2.16 TRANSCEIVER-TMP4.16
Net-(REGISTER-TMPL1-4D): REGISTER-TMPL1.5 TRANSCEIVER-TMP1.5 TRANSCEIVER-TMP2.15 TRANSCEIVER-TMP4.15
Net-(REGISTER-TMPL1-5D): REGISTER-TMPL1.6 TRANSCEIVER-TMP1.6 TRANSCEIVER-TMP2.14 TRANSCEIVER-TMP4.14
Net-(REGISTER-TMPL1-6D): REGISTER-TMPL1.7 TRANSCEIVER-TMP1.7 TRANSCEIVER-TMP2.13 TRANSCEIVER-TMP4.13
Net-(REGISTER-TMPL1-7D): REGISTER-TMPL1.8 TRANSCEIVER-TMP1.8 TRANSCEIVER-TMP2.12 TRANSCEIVER-TMP4.12
Net-(REGISTER-TMPL1-8D): REGISTER-TMPL1.9 TRANSCEIVER-TMP1.9 TRANSCEIVER-TMP2.11 TRANSCEIVER-TMP4.11
Net-(TRNS-BTTNS-MAR0-A1): BTTNS-MAR0.16 R_BTTN15.2 TRNS-BTTNS-MAR0.2
Net-(TRNS-BTTNS-MAR0-A2): BTTNS-MAR0.15 R_BTTN14.2 TRNS-BTTNS-MAR0.3
Net-(TRNS-BTTNS-MAR0-A3): BTTNS-MAR0.14 R_BTTN13.2 TRNS-BTTNS-MAR0.4
Net-(TRNS-BTTNS-MAR0-A4): BTTNS-MAR0.13 R_BTTN12.2 TRNS-BTTNS-MAR0.5
Net-(TRNS-BTTNS-MAR0-A5): BTTNS-MAR0.12 R_BTTN11.2 TRNS-BTTNS-MAR0.6
Net-(TRNS-BTTNS-MAR0-A6): BTTNS-MAR0.11 R_BTTN10.2 TRNS-BTTNS-MAR0.7
Net-(TRNS-BTTNS-MAR0-A7): BTTNS-MAR0.10 R_BTTN9.2 TRNS-BTTNS-MAR0.8
Net-(TRNS-BTTNS-MAR0-A8): BTTNS-MAR0.9 R_BTTN8.2 TRNS-BTTNS-MAR0.9
Net-(TRNS-BTTNS-MAR1-A1): BTTNS-MAR1.16 R_BTTN23.2 TRNS-BTTNS-MAR1.2
Net-(TRNS-BTTNS-MAR1-A2): BTTNS-MAR1.15 R_BTTN22.2 TRNS-BTTNS-MAR1.3
Net-(TRNS-BTTNS-MAR1-A3): BTTNS-MAR1.14 R_BTTN21.2 TRNS-BTTNS-MAR1.4
Net-(TRNS-BTTNS-MAR1-A4): BTTNS-MAR1.13 R_BTTN20.2 TRNS-BTTNS-MAR1.5
Net-(TRNS-BTTNS-MAR1-A5): BTTNS-MAR1.12 R_BTTN19.2 TRNS-BTTNS-MAR1.6
Net-(TRNS-BTTNS-MAR1-A6): BTTNS-MAR1.11 R_BTTN18.2 TRNS-BTTNS-MAR1.7
Net-(TRNS-BTTNS-MAR1-A7): BTTNS-MAR1.10 R_BTTN17.2 TRNS-BTTNS-MAR1.8
Net-(TRNS-BTTNS-MAR1-A8): BTTNS-MAR1.9 R_BTTN16.2 TRNS-BTTNS-MAR1.9
Net-(TRNS-BTTNS-MBR1-A1): BTTNS-MBR1.16 R_BTTN7.2 TRNS-BTTNS-MBR1.2
Net-(TRNS-BTTNS-MBR1-A2): BTTNS-MBR1.15 R_BTTN6.2 TRNS-BTTNS-MBR1.3
Net-(TRNS-BTTNS-MBR1-A3): BTTNS-MBR1.14 R_BTTN5.2 TRNS-BTTNS-MBR1.4
Net-(TRNS-BTTNS-MBR1-A4): BTTNS-MBR1.13 R_BTTN4.2 TRNS-BTTNS-MBR1.5
Net-(TRNS-BTTNS-MBR1-A5): BTTNS-MBR1.12 R_BTTN3.2 TRNS-BTTNS-MBR1.6
Net-(TRNS-BTTNS-MBR1-A6): BTTNS-MBR1.11 R_BTTN2.2 TRNS-BTTNS-MBR1.7
Net-(TRNS-BTTNS-MBR1-A7): BTTNS-MBR1.10 R_BTTN1.2 TRNS-BTTNS-MBR1.8
Net-(TRNS-BTTNS-MBR1-A8): BTTNS-MBR1.9 R_BTTN0.2 TRNS-BTTNS-MBR1.9

Pads without a net: COUNTER-PC0 13; COUNTER-PC1 13; COUNTER-PC2 13; COUNTER-PC3 12 13; COUNTER-STC3 12 13; IDC-ADDRESS-BUS1 1 2 3 4; IDC-DATA-BUS1 1 2 3 4; IDC-SIGNALS1 2; IDC-SIGNALS2 2 4 6 8 10 12 14 16 18 20; MEMORY1 1; NOT-GATE-BUS1 3 4 5 6 8 9 10 11 12 13; NOT-GATE-STC1 1 2 3 4 5 6 10 11 12 13; OR-GATE-STC1 8 9 10 11 12 13

## Via types
v1: diameter 0.6, hole 0.3, Top to Bottom, 324 vias

## Routing (per net, layer and track width the routed paths; a pad name or vN(x,y) marks a point on that pad's centre or on a via; arc(x,y) is an arc through that point)
GND: length 2305.9
  Top w0.5: 105.08,9.6 107.22,11.75 LED_PC7.1 ; 105.08,9.6 98.33,9.6 ; 105.08,9.6 111.83,9.6 ; 66.46,252.56 66.46,261.29 REGISTER-MAR1.10 ; 66.46,252.56 TRNS-BTTNS-MAR1.10 ; 66.46,252.56 98.57,252.56 99.62,251.51 TRNS-BTTNS-MAR0.10 ; LED_STC1.1 147.73,85.75 145.58,83.6 ; 169.08,289.85 175.83,289.85 ; 169.08,289.85 171.23,292 LED_RMBR2.1 ; 169.08,289.85 162.33,289.85 ; 175.83,289.85 177.98,292 LED_RMBR1.1 ; 175.83,289.85 182.62,289.85 LED_RMBR0.1 ; LED_RMBR5.1 150.98,292 148.83,289.85 ; v1(90.83,127.5) 80.75,127.5 TRANSCEIVER-STC0.10 ; 125.33,83.6 127.48,85.75 LED_STC4.1 ; 125.33,83.6 132.08,83.6 ; 125.33,83.6 118.58,83.6 ; TRNS-BTTNS-MBR1.10 171.69,210.63 REGISTER-MBR1.1 ; 56.08,289.85 58.23,292 LED_RMAR8.1 ; 56.08,289.85 49.33,289.85 ; 56.08,289.85 62.83,289.85 ; 56.58,218.21 58.7,216.09 LED_RTMP11.1 ; 56.58,218.21 63.33,218.21 ; 56.58,218.21 49.83,218.21 ; 135.33,289.85 108.86,263.38 REGISTER-MAR0.10 ; 135.33,289.85 142.08,289.85 ; 135.33,289.85 137.48,292 LED_RMBR7.1 ; 135.33,289.85 110.08,289.85 ; v1(83.58,53) 80.44,53 TRANSCEIVER-PC0.10 ; 124.08,218.21 126.22,216.06 LED_RTMP1.1 ; 124.08,218.21 117.33,218.21 ; 124.08,218.21 130.81,218.21 LED_RTMP0.1 ; 132.08,83.6 134.23,85.75 LED_STC3.1 ; 132.08,83.6 138.83,83.6 ; TRANSCEIVER-TMP2.10 116.53,167.5 144.81,167.5 144.83,167.53 ; 125.33,9.6 127.47,11.75 LED_PC4.1 ; 125.33,9.6 132.08,9.6 ; 125.33,9.6 118.58,9.6 ; 132.08,9.6 134.22,11.75 LED_PC3.1 ; 132.08,9.6 138.83,9.6 ; AND-GATE-ZERO-PAGE2.7 140.16,265.24 MEMORY1.16 ; 145.58,83.6 152.39,83.6 LED_STC0.1 ; 145.58,83.6 138.83,83.6 ; TRANSCEIVER-TMP5.10 51.73,166.75 80.64,166.75 81.56,165.83 TRANSCEIVER-TMP3.10 84.06,167.2 REGISTER-TMPH1.10 86.1,189.75 86.1,204.3 92.46,210.66 LED_RTMP6.1 92.46,216.08 90.33,218.21 ; 145.58,9.6 147.73,11.75 LED_PC1.1 ; 145.58,9.6 138.83,9.6 ; 145.58,9.6 152.32,9.6 LED_PC0.1 ; 83.08,289.85 85.22,291.99 LED_RMAR4.1 ; 83.08,289.85 89.83,289.85 ; 83.08,289.85 76.33,289.85 ; LED_STC15.1 53.25,84.35 54,83.6 57.83,83.6 ; v1(150.58,270.25) 150.58,288.1 148.83,289.85 ; 98.33,9.6 91.58,9.6 ; 98.33,9.6 100.48,11.75 LED_PC8.1 ; 144.83,167.53 TRANSCEIVER-TMP4.10 143.43,166.12 156.7,166.12 v1(164.33,158.5) ; 144.83,167.53 TRANSCEIVER-TMP1.10 ; 110.58,218.21 117.33,218.21 ; 110.58,218.21 112.71,216.08 LED_RTMP3.1 ; 110.58,218.21 103.83,218.21 ; 117.33,218.21 119.47,216.06 LED_RTMP2.1 ; 57.83,9.6 53.98,9.6 53.23,10.35 LED_PC15.1 SUPPLY1.2 43.02,18.92 C1.2 42.94,26.19 C2.2 ; 57.83,9.6 59.98,11.75 LED_PC14.1 ; 57.83,9.6 64.58,9.6 ; 90.33,218.21 97.08,218.21 ; 90.33,218.21 83.58,218.21 ; 97.08,218.21 103.83,218.21 ; 97.08,218.21 99.21,216.08 LED_RTMP5.1 ; 43.08,218.21 45.2,216.09 LED_RTMP13.1 ; 43.08,218.21 36.33,218.21 ; 43.08,218.21 49.83,218.21 ; 103.33,289.85 105.48,292 LED_RMAR1.1 ; 103.33,289.85 96.58,289.85 ; 103.33,289.85 110.08,289.85 ; 96.58,289.85 89.83,289.85 ; 96.58,289.85 98.72,291.99 LED_RMAR2.1 ; LED_RTMP4.1 105.97,216.06 103.83,218.21 ; 105.08,83.6 111.83,83.6 ; 105.08,83.6 98.33,83.6 ; 105.08,83.6 107.23,85.75 LED_STC7.1 ; 111.83,83.6 118.58,83.6 ; 111.83,83.6 113.98,85.75 LED_STC6.1 ; LED_RTMP15.1 31.7,217.46 32.45,218.21 36.33,218.21 ; 138.83,83.6 140.98,85.75 LED_STC2.1 ; 138.83,9.6 140.98,11.75 LED_PC2.1 ; 71.33,83.6 78.08,83.6 ; 71.33,83.6 64.58,83.6 ; 71.33,83.6 73.48,85.75 LED_STC12.1 ; 78.08,83.6 80.23,85.75 LED_STC11.1 ; 78.08,83.6 84.83,83.6 ; v1(184.83,183.5) R_BTTN0.1 R_BTTN1.1 R_BTTN2.1 R_BTTN3.1 R_BTTN4.1 163.69,183.56 R_BTTN5.1 159.69,183.5 R_BTTN6.1 155.69,183.56 R_BTTN7.1 ; LED_RMAR7.1 64.97,291.99 62.83,289.85 ; LED_PC12.1 73.48,11.75 71.33,9.6 ; TRNS-BUS-MAR1.10 34.69,230.28 R_BTTN23.1 43.03,225.81 R_BTTN22.1 R_BTTN21.1 R_BTTN20.1 R_BTTN19.1 R_BTTN18.1 59.22,225.88 R_BTTN17.1 R_BTTN16.1 67.17,225.87 R_BTTN15.1 R_BTTN14.1 R_BTTN13.1 R_BTTN12.1 R_BTTN11.1 R_BTTN10.1 R_BTTN9.1 R_BTTN8.1 103.83,224.37 103.83,218.21 ; 63.33,218.21 65.47,216.07 LED_RTMP10.1 ; 63.33,218.21 70.08,218.21 ; LED_RMBR6.1 144.23,292 142.08,289.85 ; 91.58,83.6 98.33,83.6 ; 91.58,83.6 93.73,85.75 LED_STC9.1 ; 91.58,83.6 84.83,83.6 ; 98.33,83.6 100.48,85.75 LED_STC8.1 ; 89.83,289.85 91.97,291.99 LED_RMAR3.1 ; NOT-GATE-STC1.7 173.12,65.92 173.12,53.92 COUNTER-PC0.8 169.66,46.46 153.94,30.75 v1(146.78,30.75) v1(120.83,30.75) 101.83,30.75 v1(101.45,31.13) ; 76.83,218.21 78.95,216.09 LED_RTMP8.1 ; 76.83,218.21 70.08,218.21 ; 76.83,218.21 83.58,218.21 ; 70.08,218.21 72.23,216.06 LED_RTMP9.1 ; LED_RMBR4.1 157.73,292 155.58,289.85 ; 69.58,289.85 71.73,292 LED_RMAR6.1 ; 69.58,289.85 62.83,289.85 ; 69.58,289.85 76.33,289.85 ; v1(131.06,236.55) 132.48,235.12 141.15,235.12 TRNS-WORD-TO-BUS1.1 ; 36.33,218.21 38.45,216.09 LED_RTMP14.1 ; LED_RMAR9.1 51.48,292 49.33,289.85 ; 110.08,289.85 112.23,292 LED_RMAR0.1 ; 142.08,289.85 148.83,289.85 ; 111.83,9.6 113.97,11.75 LED_PC6.1 ; 111.83,9.6 118.58,9.6 ; LED_STC10.1 86.98,85.75 84.83,83.6 ; 49.83,218.21 51.95,216.09 LED_RTMP12.1 ; LED_STC5.1 120.73,85.75 118.58,83.6 ; 76.33,289.85 78.47,291.99 LED_RMAR5.1 ; 57.83,83.6 59.98,85.75 LED_STC14.1 ; 57.83,83.6 64.58,83.6 ; 148.83,289.85 155.58,289.85 ; 49.33,289.85 42.61,289.85 ; 91.58,9.6 93.72,11.75 LED_PC9.1 ; 91.58,9.6 84.83,9.6 ; 83.58,218.21 85.71,216.08 LED_RTMP7.1 ; 78.08,9.6 80.23,11.75 LED_PC11.1 ; 78.08,9.6 71.33,9.6 ; 78.08,9.6 84.83,9.6 ; 71.33,9.6 64.58,9.6 ; 155.58,289.85 162.33,289.85 ; v1(189.58,134.5) v1(180.58,125.5) ; 64.58,9.6 66.73,11.75 LED_PC13.1 ; 118.58,9.6 120.72,11.75 LED_PC5.1 ; 64.58,83.6 66.73,85.75 LED_STC13.1 ; 42.61,289.85 LED_RMAR10.1 ; 42.61,289.85 38.73,289.85 37.98,290.6 LED_RMAR11.1 ; 84.83,9.6 86.98,11.75 LED_PC10.1 ; 162.33,289.85 164.48,292 LED_RMBR3.1 ; v1(101.58,107.32) 101.65,107.25 119.53,107.25 v1(119.58,107.2) 127.01,107.2 130.18,110.38 144.7,110.38 v1(146.7,112.38) 159.15,112.38 169.62,122.85 COUNTER-STC0.8
  Bottom w0.5: v1(119.58,107.2) 123.96,111.58 COUNTER-STC2.8 ; v1(164.33,158.5) 164.33,145.22 169.12,140.43 TRNS-BUS-MBR1.10 ; TRANSCEIVER-TMP0.1 29.38,188.06 31.32,190 52.33,190 ; 15.58,294.15 11.75,294.15 11,293.4 LED_RMAR15.1 6.58,287.58 6.58,225.3 15.68,216.2 29.55,216.2 R_BTTN23.1 ; 15.58,294.15 22.58,294.15 ; 15.58,294.15 17.73,292 LED_RMAR14.1 ; LED_RMAR13.1 24.53,292.2 22.58,294.15 ; LED_RTMP0.1 132.96,216.38 134.54,217.96 136.87,217.96 142.31,212.52 169.94,212.52 REGISTER-MBR1.1 171.76,210.34 173.45,208.65 192.98,208.65 194.62,210.29 REGISTER-MBR1.10 ; TRANSCEIVER-STC1.10 51.88,122.7 76.31,122.7 78,124.39 TRANSCEIVER-STC0.10 ; v1(120.83,30.75) 123.95,33.87 COUNTER-PC2.8 ; OR-GATE-STC1.7 168.15,88.08 168.15,70.54 169.44,69.25 170,69.25 170.2,69.05 NOT-GATE-STC1.7 ; OR-GATE-STC1.7 163.66,83.6 155.29,83.6 154.54,84.35 LED_STC0.1 ; OR-GATE-STC1.7 169.07,90.13 168.2,91 168.2,108.12 169.62,109.55 COUNTER-STC0.8 179.65,124.57 v1(180.58,125.5) ; C2.2 42.99,43.54 48.15,48.7 48.17,48.7 49.86,50.39 TRANSCEIVER-PC1.10 52.11,48.5 77.07,48.5 78.07,49.5 TRANSCEIVER-PC0.10 ; LED_RMAR12.1 31.23,292 29.08,294.15 ; 93.33,190.62 116.08,190.62 ; 93.33,190.62 93.4,190.55 REGISTER-TMPL1.1 ; 93.33,190.62 87.2,190.62 86.58,190 84.08,190 ; 116.08,190.62 116.25,190.44 REGISTER-TMPL1.10 ; 116.08,190.62 121.83,190.62 ; v1(150.58,270.25) 150.59,270.24 MEMORY1.16 ; 169.33,234.46 145.17,234.46 144.14,233.43 TRNS-WORD-TO-BUS1.1 ; 169.33,234.46 169.33,241 168.33,242 167.21,242 163.29,245.92 MEMORY1.22 ; 169.33,234.46 193.46,234.46 194.54,233.38 TRNS-WORD-TO-MBR1.10 197.83,228.96 197.83,213.5 195.03,210.7 REGISTER-MBR1.10 ; 169.33,234.46 TRNS-WORD-TO-BUS1.10 ; REGISTER-TMPH1.1 61.2,189.87 61.33,190 ; v1(101.58,107.32) 101,107.9 COUNTER-STC3.8 101,125.11 98.61,127.5 v1(90.83,127.5) ; REGISTER-TMPH1.10 84.06,189.98 84.08,190 ; 61.33,190 52.33,190 ; 61.33,190 84.08,190 ; v1(131.06,236.55) 131.06,236.73 132.62,238.28 AND-GATE-ZERO-PAGE1.7 ; 22.58,294.15 29.08,294.15 ; 29.08,294.15 35.84,294.15 LED_RMAR11.1 ; NOT-GATE-BUS1.7 179.75,177.34 R_BTTN0.1 ; v1(83.58,53) 99.75,53 100.99,51.76 COUNTER-PC3.8 100.99,31.59 v1(101.45,31.13) ; REGISTER-MBR1.10 194.62,193.29 v1(184.83,183.5) 189.58,178.75 v1(189.58,134.5) ; COUNTER-STC1.8 146.75,112.42 v1(146.7,112.38) ; 121.83,190.62 143.91,190.62 144.83,189.7 TRANSCEIVER-TMP1.10 149.84,183.56 R_BTTN7.1 ; 121.83,190.62 121.97,190.48 TRANSCEIVER-TMP1.1 ; v1(146.78,30.75) COUNTER-PC1.8 ; TRANSCEIVER-TMP0.10 52.23,189.91 52.33,190 ; TRNS-BUS-MAR0.10 34.67,263.38 REGISTER-MAR1.1 41.51,262.08 42.26,261.33 63.45,261.33 64.37,262.25 REGISTER-MAR1.10 REGISTER-MAR0.1 76.59,263.02 78.28,261.33 98.53,261.33 99.45,262.25 REGISTER-MAR0.10
  vias: v1(8.58,279) v1(14.08,209) v1(15.08,229) v1(17.33,287.75) v1(27.83,217.75) v1(29.08,210.75) v1(32.08,225.5) v1(32.33,35.25) v1(37.33,260.5) v1(38.33,287.75) v1(48.83,21) v1(50.83,210.75) v1(53.83,168) v1(56.83,187.75) v1(58.08,287.75) v1(58.33,44.75) v1(59.83,18.75) v1(60.33,222.25) v1(62.58,117) v1(65.08,26.75) v1(65.83,276.25) v1(70.08,247.25) v1(71.08,255.75) v1(71.08,210.75) v1(71.33,262) v1(71.33,228) v1(74.33,7.5) v1(77.58,287.5) v1(80.08,19.25) v1(87.08,182.5) v1(90.83,211.25) v1(90.83,26.75) v1(97.83,287.5) v1(100.08,222.5) v1(100.58,18.75) v1(110.58,255.75) v1(111.33,269.75) v1(111.58,211.25) v1(112.33,240.25) v1(115.33,7.5) v1(118.58,26.75) v1(119.58,105) v1(120.33,19.25) v1(121.08,272.5) v1(122.33,284.25) v1(126.08,291.75) v1(130.58,277.25) v1(131.83,211) v1(140.83,19) v1(144.58,27.25) v1(145.83,101.5) v1(148.83,204) v1(154.08,181) v1(154.83,7.75) v1(160.08,30.25) v1(162.83,88.75) v1(163.58,76) v1(164.08,20.75) v1(166.58,159.75) v1(166.83,149.5) v1(171.83,269) v1(172.08,208) v1(173.33,128.75) v1(176.58,38.25) v1(177.58,116.25) v1(178.33,10.25) v1(180.58,58.5) v1(181.33,174) v1(191.08,285.75) v1(191.33,25.75) v1(192.33,107) v1(192.33,81.75) v1(192.33,48.25) v1(193.33,138.75)
